# KiCad board Ultrasonic Sound Steering - Control Rev. A.kicad_pcb (continued)
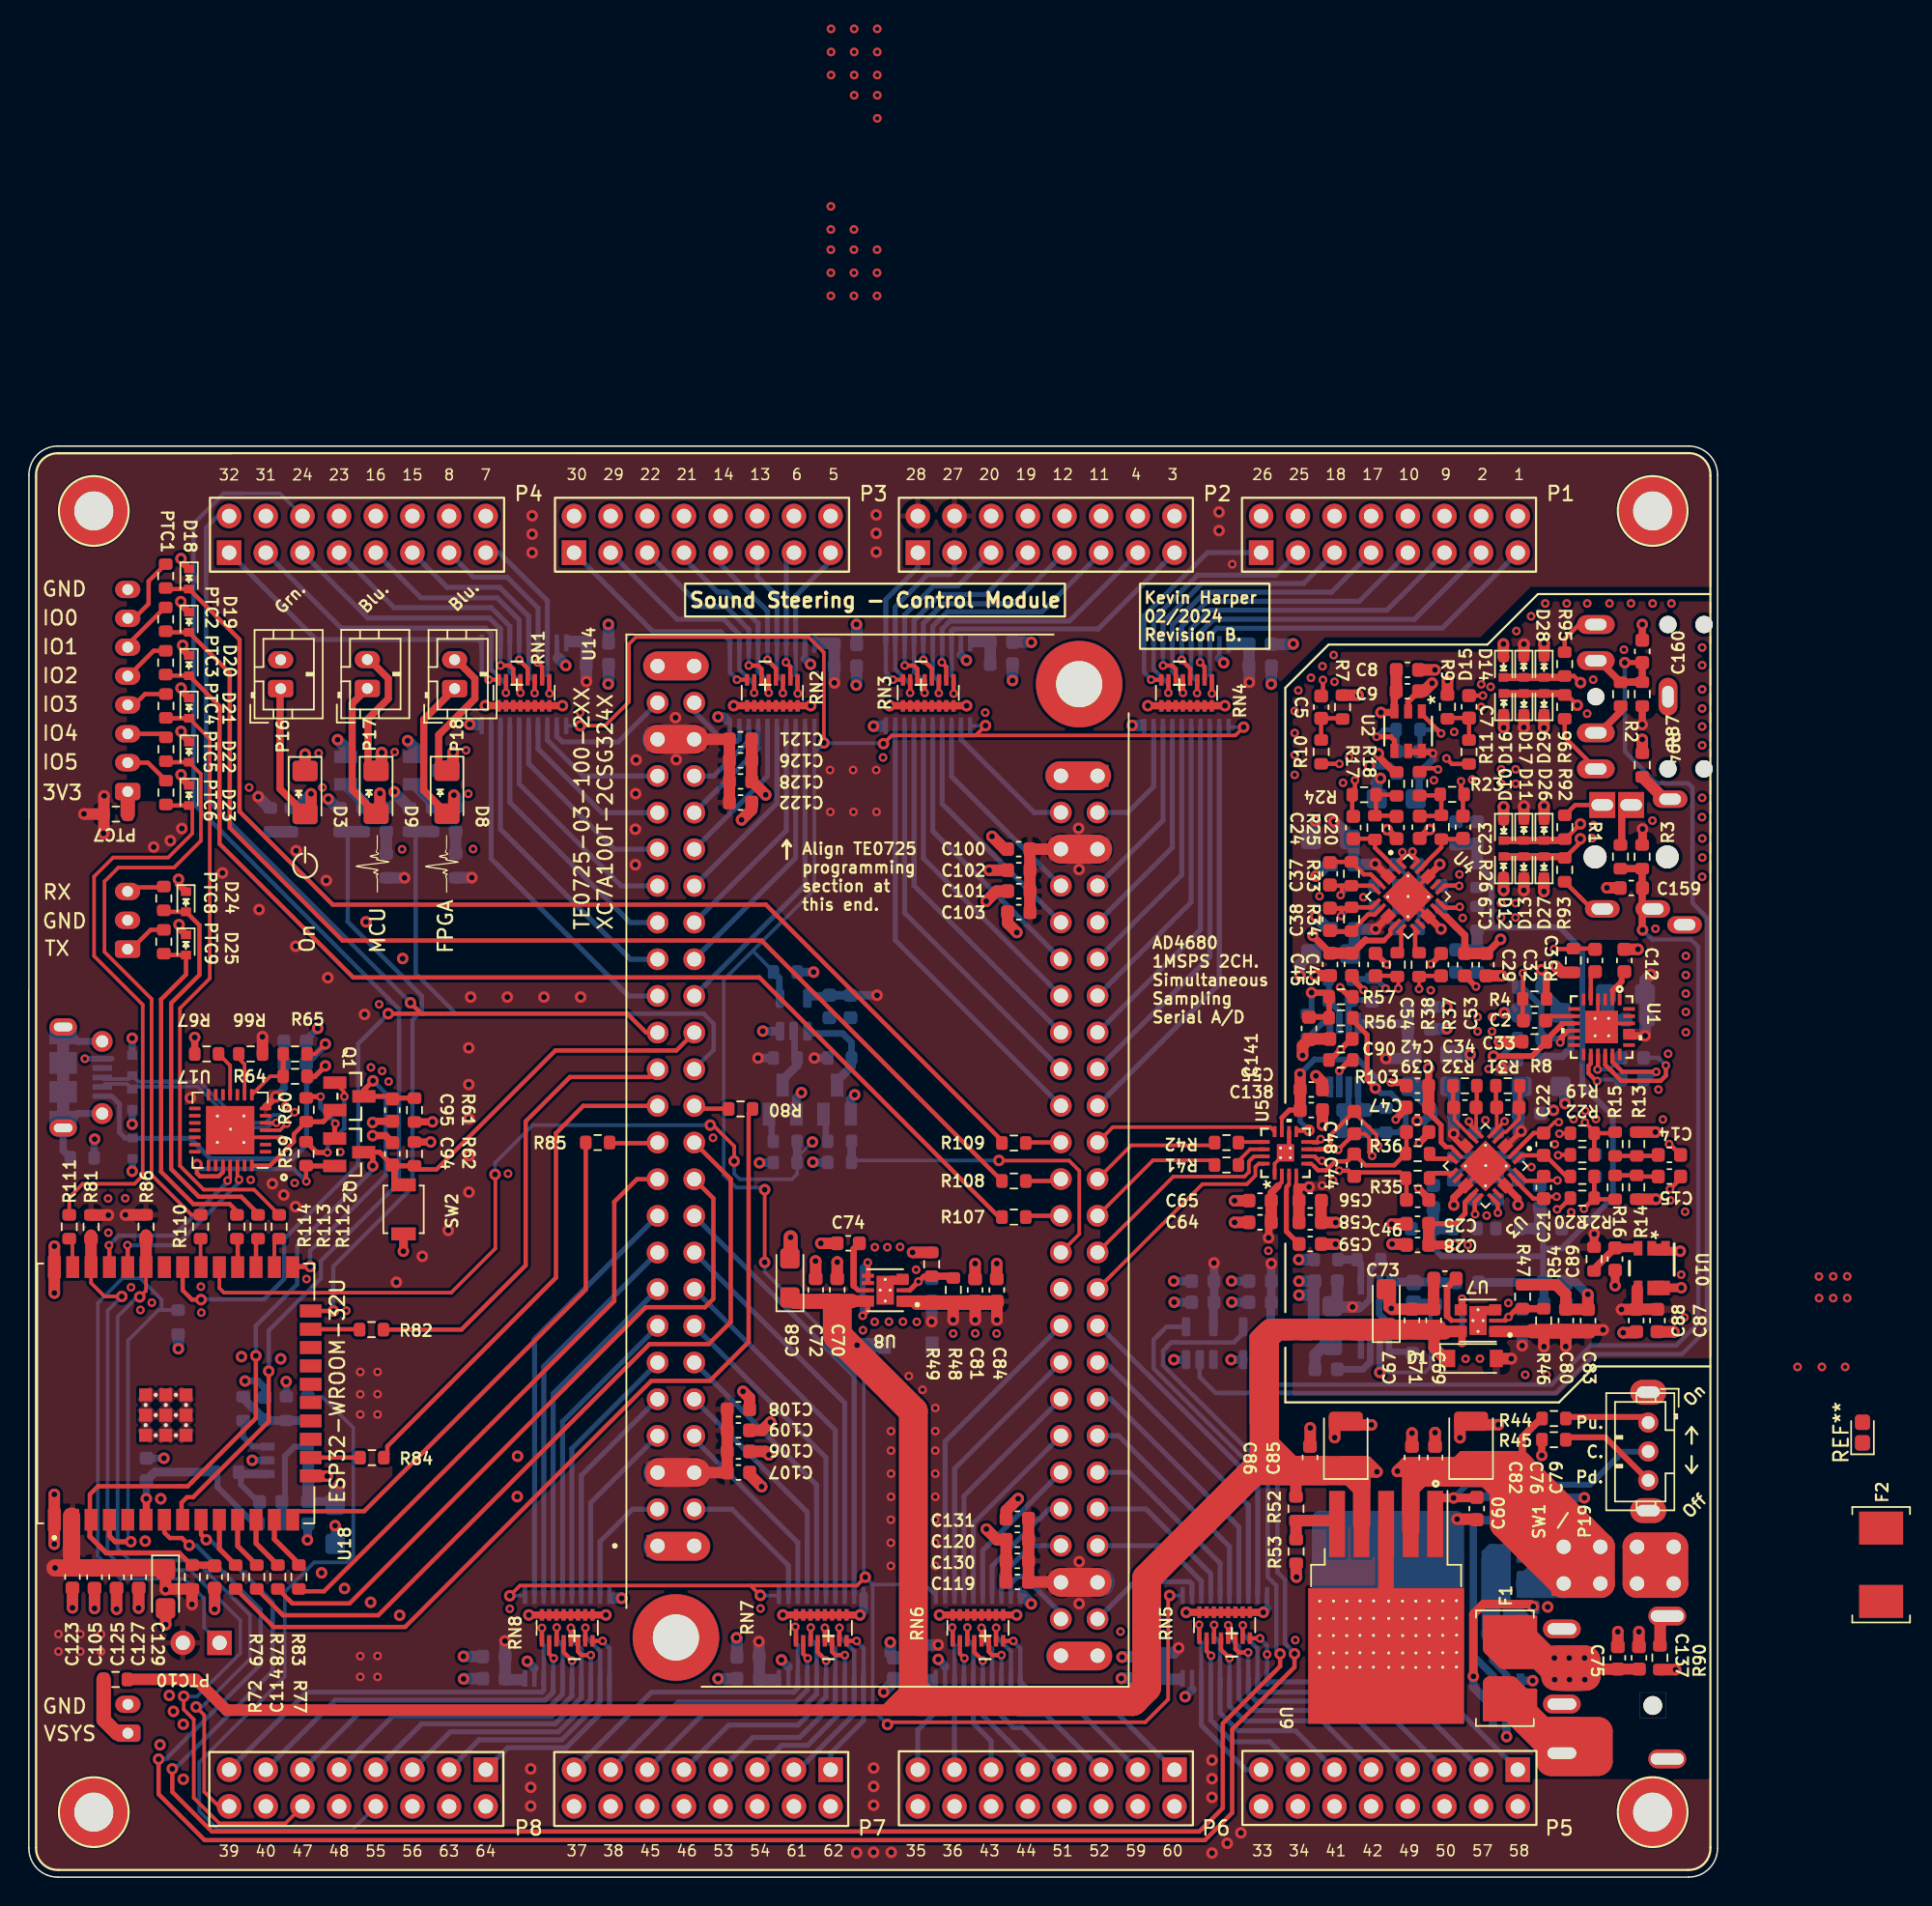
[diagram p0: board, top side]
## Routing (per net, layer and track width the routed paths; a pad name or vN(x,y) marks a point on that pad's centre or on a via; arc(x,y) is an arc through that point) (continued)
  Top w1: v2(52.78,44.32) 52.78,42.86 ; 94.15,40.83 94.04,40.93
  Top w2: P9.6 P9.5 P9.7 ; P9.6 P9.8 P9.7 ; P9.6 P9.7 ; 71.44,76.3 73.98,76.3 ; U14.49_1 U14.50_1 ; 71.52,15.32 74.06,15.32 ; 43.67,22.92 46.21,22.92
  Bottom w0.2: 50.65,49.49 v2(50.62,49.49) ; 55.26,52.64 55.04,52.86 ; 51.59,50.97 51.58,50.97 51.53,51.02 ; 56.94,52.59 Q8.1 ; 55.26,51.06 55.35,50.98 55.35,51 ; 83.33,41.29 v2(83.32,41.3) ; 53.17,52.55 Q7.1 ; 51.53,52.6 51.27,52.86 ; 54.33,49.52 v2(54.31,49.53)
  Bottom w0.25: 97.61,70.04 v2(97.75,70.18) ; 97.37,39.77 C156.2 97.1,39.34 97.1,35.36 96.7,34.97 v2(93.59,34.97) ; 83.35,39.83 v2(83.34,39.84) ; 109.45,58.3 NOREF#21.39_16 ; R116.1 98.71,48.45 ; R99.1 94.77,70.14 ; C4.2 108.91,61.55 ; 19.33,23.39 v2(19.3,23.36) ; R115.1 103.2,48.42 ; 10.31,37.61 10.29,37.63 ; 106.43,39.79 C158.2 ; C36.2 96.11,54.79 ; v2(57.58,18.16) 57.82,18.41 ; 48.57,80.01 U20.10 ; v1(3.88,56.7) P10.5 ; 82.69,84.13 v2(82.78,84.13)
  Bottom w0.3: 25.32,75.14 v2(25.32,75.2) ; 98.71,48.45 NOREF#38.39_16 ; 36.59,84.56 36.59,85.6 ; 64.57,84.69 64.57,85.49 ; 36.57,85.72 36.57,84.68 36.56,84.67 ; 36.57,84.53 36.57,85.57 ; 82.47,84.44 U13.19 ; NOREF#48.39_16 94.73,65.72 ; 103.2,48.42 NOREF#40.39_16 ; 94.77,70.08 95.49,69.37 ; 35.02,14.47 35.02,13.71 ; 85.78,18.6 85.78,19.63
  Bottom w0.35: 93.67,74.99 C17.2
  Bottom w0.4: U24.6 93.58,37.62 ; 95.49,69.37 NOREF#77.39_16 ; 90.31,36.92 C152.2 ; 94.73,65.72 94.67,65.72 ; 94.77,70.14 94.77,70.08 ; 53.77,84.41 53.77,85.48 ; 5.74,56.7 P10.5 v1(3.88,56.7)
  Bottom w0.45: U24.6 93.58,34.97 ; 51.53,51.02 51.46,51.09 51.46,52.53 ; 55.23,52.61 55.21,52.59 55.21,51.11 55.26,51.06
  Bottom w0.5: 19.11,56.37 19.24,56.37 20.54,57.68 v2(20.54,57.73) ; 7.17,48.85 7.18,48.86 7.18,49.83 ; C50.2 104.95,53.13 v2(105.63,53.13) ; 7.16,53.26 v2(7.16,52.16) ; v2(9.36,29.02) C66.1 ; 16.35,33.28 16.35,33.88 15.86,34.37 v2(14.98,34.37) ; v2(17.83,34.33) 17.84,34.32 17.84,33.23 ; v2(20.01,58.81) 19.11,57.9 19.04,57.9 ; 7.12,58.16 v2(7.16,58.12) D6.1 ; v2(4.56,51.13) 4.52,51.1 R63.1 ; C16.2 94.27,76.99 v2(92.87,76.99) ; 106.15,54.81 C52.2 ; 16.77,28.88 v2(15.47,28.88)
  Bottom w0.6: 90.31,36.92 91.19,37.8 93.41,37.8 93.58,37.62 ; C155.2 97.37,39.77 ; v2(79.35,39.83) C166.2 ; U23.6 104.19,13.61 v2(104.19,13.61) ; v2(52.14,15.05) 52.63,14.56 ; v2(96.17,52.4) 96.65,52.4 C41.2 ; v2(64.96,84.3) 64.57,84.69 ; 57.82,18.41 U19.10 ; v2(54.37,62.7) R133.1 ; 84.52,39.83 83.35,39.83 ; C63.2 19.32,24.47 19.32,23.4 19.33,23.39 ; 48.15,80.38 v2(47.75,80.38) 48.14,80.38 ; 48.15,80.38 48.42,80.11 ; 48.15,80.38 48.38,80.15 ; v2(34.53,14.96) 35.02,14.47 ; U27.3 79.33,35.85 v2(79.33,35.85) ; v2(83.29,35.85) U26.3 ; Q7.1 53.17,54 v2(53.52,54.35) ; v2(54.15,84.03) 53.77,84.41 ; v2(82.78,84.13) 82.47,84.44 ; v2(79.32,41.29) C167.2 ; Q8.1 56.94,53.93 v2(57.22,54.2) ; v2(107.77,26.28) C136.2 ; v2(108.01,40.37) 107.17,41.21 C157.2 106.43,39.79 ; 51.67,49.49 50.65,49.49 ; v2(50.85,58.61) U25.3 ; v2(80.11,12.5) 80.6,12.99 ; v2(85.52,18.34) 85.78,18.6 ; v2(102.38,9.73) U23.2 ; v2(21.22,24.35) C62.2 ; 57.82,18.4 57.59,18.16 v2(57.58,18.16) ; R129.2 54.33,49.52 ; v2(63,15.08) 63.49,14.59 ; 84.52,41.29 83.33,41.29
  Bottom w0.8: 96.11,54.79 96.11,54.36 97.16,53.31 C41.2 ; v2(10.36,36.61) 10.36,37.61 ; v2(89.14,66.56) 90.01,65.69 90.24,65.69 ; C110.1 59.9,13.51 v2(59.22,12.83) ; 95.73,54.99 96.07,54.99 ; C115.1 49.05,16.56 v2(49.03,16.58) ; 31.13,79.86 v2(30.54,79.86) ; v2(59.68,16.27) 59.68,15.48 59.9,15.25 ; v2(75.74,15.24) 75.77,15.27 76.99,15.27 ; 40.47,19.32 v2(41.07,19.32) ; v2(21.39,78.8) 21.95,78.24 Q4.2 ; C99.1 87.58,85.42 v2(87.6,85.44) ; C134.1 30.12,15.28 v2(30.11,15.29) ; C98.1 69.44,85.56 v2(69.45,85.55) ; v2(75.69,13.77) 75.7,13.78 C111.1 ; v2(102.22,59.88) C1.2 ; 59.11,79.74 v2(58.52,79.74) ; 36.68,84.46 v2(37.2,83.94) ; v2(99.86,57) 99.84,56.98 99.03,56.98 ; v2(40.15,86.79) 40.16,86.78 C133.1 ; 40.16,83.99 40.16,82.69 v2(40.14,82.66) ; v2(69.45,18.93) 68.88,19.5 68.86,19.5 ; v2(20.74,74.7) 21.35,74.09 R73.2 ; v2(87.99,40.32) 89,40.32 ; v2(106.43,53.59) 106.43,54.53 106.15,54.81 ; C17.2 93.39,75.88 v2(93.64,76.13) ; C154.2 89.1,36.2 89.77,36.86 C152.2 89.01,38.16 89.01,41.2 C151.2 v2(87.99,41.29) ; 89.04,42.79 87.98,42.79 v2(87.98,42.78) ; v2(26.24,78.74) 26.72,78.26 Q3.2 ; 97.05,58.76 98.22,58.76 ; 97.05,60.29 98.23,60.29 ; C96.1 v2(68.15,82.9) ; v2(89.62,52.11) C138.1 ; v2(89.16,69.35) 89.97,70.16 C49.2 ; C118.1 57.35,86.78 v2(57.34,86.79) ; 89.99,54.78 89.9,54.78 v2(89.17,55.51) ; C97.1 86.08,82.67 v2(86.07,82.65) ; R68.2 25.32,75.14 ; C36.2 95.81,54.82 ; C6.2 109.54,59.4 109.27,59.68 C4.2 ; v2(88.07,62.44) 88.07,63.25 88.55,63.73 ; 89.12,71.96 89.12,73.18 v2(89.13,73.18) ; C132.1 30.14,13.75 v2(30.12,13.73) ; 109.45,61.01 NOREF#42.39_15 ; C116.1 57.35,82.61 v2(57.32,82.58) ; 77.03,79.79 v2(76.44,79.79) ; C117.1 v2(47.75,13.75)
  Bottom w1: 98.72,23.32 89.44,23.32 94.38,23.32 ; 94.38,19.77 89.44,19.77 98.72,19.77 ; 91.45,18.64 90.96,19.13 NOREF#59.39_15 90.39,15.58 90.2,15.39 ; 91.45,18.64 90.73,17.92 NOREF#46.39_16 ; 91.45,18.64 92.17,17.92 ; 89.42,19 89.42,23.58 ; 98.7,23.72 98.9,23.52 ; 98.91,24.73 98.91,23.66 ; 98.91,24.73 98.91,24.74 98.91,24.86 89.45,24.86 ; 98.91,24.73 98.91,23.53 ; 89.45,16.57 89.45,20.32 ; 89.46,19.8 89.52,19.74 98.86,19.74 ; 98.71,21.04 89.43,21.04 94.37,21.04 ; 98.91,22.24 89.45,22.24 ; 98.91,20.62 98.91,16.02 ; 98.91,16.02 98.91,20.4 98.71,20.6 ; 98.91,16.02 98.89,16 ; 94.37,21.28 89.43,21.28 98.71,21.28 ; 94.37,22.21 89.43,22.21 98.71,22.21 ; 94.38,22.44 89.44,22.44 98.72,22.44 ; 92.05,15.54 97.3,15.54 ; 92.05,15.54 91.82,15.77 91.45,15.39 ; 92.05,15.54 94.6,15.54 ; 92.05,15.54 91.61,15.1 91.61,14.55 ; 97.3,15.54 98.29,14.55 NOREF#44.39_15 ; 97.3,15.54 NOREF#63.39_16 ; 93.34,16.75 92.17,17.92 ; 93.34,16.75 94.07,17.47 96.03,17.47 ; 93.34,16.75 94.55,16.75 ; 92.17,17.92 NOREF#46.39_16 ; 92.17,17.92 97.94,17.92 ; 89.42,22.57 89.42,21.36 ; 90.2,15.39 91.45,15.39 ; 90.2,15.39 93.93,19.13 NOREF#78.39_15 ; 91.45,15.39 91.31,15.53 NOREF#2.39_16 ; 98.91,24.62 98.91,23.42 ; 98.91,23.75 98.91,22.55 ; 98.91,22.23 98.91,17.63 ; 98.91,17.63 98.91,22.01 98.71,22.21 ; 98.91,17.63 98.89,17.61 ; NOREF#56.39_15 94.55,16.75 ; 94.55,16.75 94.36,16.75 NOREF.39_16 ; 98.71,24.83 89.43,24.83 94.37,24.83 ; 95.79,16.74 92.11,16.74 ; 95.79,16.74 94.6,15.54 ; 95.79,16.74 NOREF#65.39_15 ; 92.11,16.74 91.58,16.74 NOREF#46.39_16 ; 92.11,16.74 93.3,15.54 94.6,15.54 ; 89.43,23.68 89.43,22.47 ; 89.42,18.26 89.42,22.84 ; NOREF#17.39_15 89.42,19.12 NOREF#29.39_16 98.89,14.53 NOREF#44.39_15 ; NOREF#17.39_15 94.37,19.13 96.03,17.47 ; NOREF#17.39_15 NOREF#25.39_16 ; NOREF#17.39_15 89.45,19.15 NOREF#20.39_15 NOREF#44.39_15 ; NOREF#17.39_15 98.71,19.13 98.91,18.93 NOREF#44.39_15 ; NOREF#17.39_15 89.43,14.66 89.45,14.64 ; 97.4,16.1 NOREF#63.39_16 ; 97.4,16.1 96.03,17.47 ; 97.4,16.1 95.15,16.1 94.6,15.54 ; NOREF#63.39_16 97.96,15.5 NOREF#44.39_15 ; NOREF#63.39_16 98.2,15.78 98.2,18.39 97.95,18.64 92.45,18.64 92.23,18.42 NOREF#34.39_16 ; NOREF#44.39_15 91.61,14.55 ; 94.36,22.84 89.42,22.84 98.7,22.84 ; 94.36,23.72 89.42,23.72 98.7,23.72 ; 94.38,22.39 89.44,22.39 98.72,22.39 ; 89.42,20.94 89.42,19.74 ; 94.6,15.54 94.22,15.92 NOREF#71.39_15 96.75,16.74 97.94,17.92 ; 98.71,23.95 89.43,23.95 94.37,23.95 ; 94.36,22.55 89.42,22.55 98.7,22.55 ; 98.9,23.18 89.44,23.18 ; 98.91,23.69 89.45,23.69 ; 98.91,22.79 98.91,21.59 ; 91.61,14.55 89.54,14.55 89.45,14.64 ; 97.94,17.92 NOREF#8.39_16 ; 98.7,22.11 98.9,21.91 ; 98.9,20.56 89.44,20.56 ; 89.43,19.85 89.43,21.06 89.43,16.59 ; 89.42,22.07 89.42,20.86 ; 98.91,21.07 89.45,21.07 ; 89.42,22.24 89.42,21.03 ; 98.9,22.58 89.44,22.58 ; 98.71,24.83 98.91,24.63 ; 98.71,23.22 98.91,23.02 ; 89.45,14.64 89.45,18.39 ; 89.42,24.85 89.42,23.65 ; 89.43,24.8 89.43,23.6 ; 94.37,21.33 89.43,21.33 98.71,21.33 ; 89.42,20.53 98.7,20.53 ; 89.42,24.58 89.42,23.38 ; 98.91,23.98 89.45,23.98 ; 98.9,22.87 89.44,22.87 ; 98.91,23.15 98.91,21.95 ; 89.43,24.85 89.43,23.65 ; 89.42,16.46 89.42,21.05 ; 98.91,23.29 98.91,22.09 ; 94.37,23.66 89.43,23.66 98.71,23.66 ; 98.91,21.36 89.45,21.36 ; 98.9,23.74 98.9,19.14 ; 98.9,23.75 89.44,23.75 ; 98.89,22.07 89.43,22.07 ; 98.91,22.13 98.91,20.93
  Bottom w2: 73.94,76.3 71.4,76.3 ; 46.09,22.92 43.55,22.92 ; 46.09,83.92 43.55,83.92 ; 74.02,15.32 71.48,15.32
  vias: v1(5.49,47.02) v1(5.51,44.64) v1(6.68,47.03) v1(7.08,40.86) v1(7.73,39.29) v1(8.52,39.8) v1(11.92,40.91) v1(11.95,39.11) v1(15.26,75.5) v1(15.36,48.31) v1(17.77,53.43) v1(18.41,52.99) v1(18.42,48.09) v1(19.24,41.44) v1(20.08,77.87) v1(20.34,75.49) v1(21.58,50.23) v1(21.99,39.25) v1(23.7,56.1) v1(24.27,60.47) v1(24.48,55.85) v1(24.93,55.12) v1(25.35,77.95) v1(25.86,71.21) v1(30.29,78.07) v1(30.44,75.05) v1(30.78,71.23) v1(33.2,48.74) v1(33.32,18.59) v1(38.2,80.68) v1(47.4,51.22) v1(50.69,18.61) v1(57.79,37.89) v1(58.61,43.64) v1(58.6,38.47) v1(59.18,77.57) v1(59.48,43.64) v1(59.59,38.48) v1(60.36,43.66) v1(60.56,38.48) v1(61.47,42.08) v1(61.52,38.47) v1(64.04,37.66) v1(65.57,37.67) v1(66.26,80.68) v1(67.05,37.66) v1(75.63,17.01) v1(85.79,15.43) v1(85.88,43.4) v1(87.7,80.79) v1(87.7,79.27) v1(87.7,77.74) v1(87.7,76.37) v1(87.74,16.42) v1(87.95,82.22) v1(88.82,83.09) v1(89.42,67.96) v1(89.62,83.89) v1(90.4,84.67) v1(90.36,48.26) v1(90.46,82.81) v1(91.05,75.82) v1(91.47,77.59) v1(92.46,67.89) v1(94.36,55.05) v1(97.12,61.44) v1(97.34,75.99) v1(98.75,79.34) v1(99.11,69.47) v1(99.34,66.45) v1(99.54,35.91) v1(99.69,43.8) v1(100,76.04) v1(100.37,59.59) v1(100.37,58.59) v1(100.53,35.92) v1(100.62,82.64) v1(100.62,81.07) v1(100.91,52.44) v1(101,45.84) v1(101.13,55.99) v1(101.27,82.47) v1(101.37,59.59) v1(101.37,58.59) v1(102.01,76.75) v1(102.01,75.75) v1(102,67.48) v1(102,66.48) v1(102.5,39.78) v1(103.01,76.75) v1(103.01,75.75) v1(103,67.48) v1(103,66.48) v1(103.06,86.33) v1(103.67,34.8) v1(104.08,87.35) v1(104.1,49.19) v1(105.06,88.24) v1(105.15,34.8) v1(105.72,50.78) v1(106.55,88.24) v1(106.86,46.07) v1(107.02,52.52) v1(107.82,53.09) v1(107.97,88.24) v1(107.96,80.61) v1(108.38,82.97) v1(108.4,72.88) v1(108.32,71.98) v1(108.57,52.52) v1(109.51,88.24) v1(110.51,85.04) v1(111,88.24) v1(112.5,88.24) v1(112.49,73.2) v1(112.69,65.71) v1(112.9,54.57) v1(113.21,52.49) v1(113.57,57.04) v1(113.8,88.24) v1(113.72,46.89) v1(114.48,41.74) v1(114.7,38.78) v1(114.8,63.82) v1(114.8,62.49) v1(114.8,61.21) v1(114.8,59.94) v1(114.8,58.53) v1(114.75,46.1) v1(115.92,73.44) v1(115.93,85.19) v1(115.93,83.97) v1(115.93,82.29) v1(115.93,80.97) v1(115.93,79.72) v1(115.93,78.42) v1(115.93,74.78) v1(115.94,71.96) v1(115.94,70.64) v1(115.93,69.31) v1(122.54,35.35) v1(124.02,41.61) v1(124.03,40.12) v1(124.22,35.35) v1(125.01,41.62) v1(125.01,40.12) v1(125.84,35.35) v1(125.98,41.62) v1(125.98,40.12) v2(7.16,48.9) v2(8.06,23.28) v2(9.09,9.17) v2(9.14,26.21) v2(9.73,12.59) v2(10.02,11.49) v2(10.37,69.13) v2(10.7,10.59) v2(10.7,6.78) v2(14.73,36.06) v2(17.45,35.91) v2(25.95,43.36) v2(98.24,60.3) v2(98.24,58.78) v2(98.95,24.8) v2(104.97,68.28) v2(105.23,18.72) v2(112.69,51.62)
VBUS: length 25.2
  Top w0.35: v2(20.54,56.21) 19.82,55.48 R64.2
  Bottom w0.25: P10.1 5.74,54.1
  Bottom w0.35: 11.17,51.19 11.25,51.11 ; v2(20.54,56.21) 19.23,54.89 19.23,50.75 18.25,49.76 12.6,49.76 11.17,51.19 D5.2 6.68,51.19 6.28,51.59 6.28,53.56 5.74,54.1
(no net): length 12.9
  Top w0.25: 106.48,30.31 106.63,30.46
  Top w0.4: 112.19,27.49 109.21,30.47 106.62,30.47 ; 112.19,31.49 111.8,31.88 106.59,31.88 106.48,31.77
+VSW: length 50.5
  Bottom w0.25: R39.1 20.32,33.28 22.48,31.12 22.48,22.28 22.36,22.16 ; 22.36,22.16 22,21.81 19.75,21.81 17.73,19.78 17.73,13.88 11.81,7.96 11.81,4.56 13.11,3.26 22.39,3.26 P8.8 ; 22.36,22.16 22.09,21.89
  Bottom w0.8: P8.8 23.79,4.66
-VSW: length 73.5
  Bottom w0.25: 101.27,65.81 101.33,65.87 ; 104.91,41.31 104.91,43.63 ; 104.91,41.31 C157.1 104.97,41.18 ; 104.91,41.31 104.91,43.04 104.87,43.08 ; 104.68,44.95 104.66,44.93 104.91,44.68 ; 100.44,41.21 L1.2 ; 101.64,65.81 100.55,65.81 R117.1 ; 97.3,44.96 97.32,44.93 ; 100.38,70.21 R118.1
  Bottom w0.4: 107.51,44.87 109.74,47.1 109.74,52.75 107.63,54.86 107.63,64.23 106.05,65.81 103.32,65.81 103.29,65.78 100.58,65.78 ; 108.02,45.38 106.2,43.56 104.98,43.56 104.91,43.63 ; 104.91,41.31 104.91,44.68 ; C147.1 97.32,43.59 97.9,43.01 104.8,43.01 104.87,43.08 ; 100.38,70.21 101.33,69.26 101.33,65.87
  Bottom w0.6: C158.1 104.97,41.18 ; C157.1 100.44,41.21
  Bottom w0.8: C143.1 C144.1 R117.1 ; C146.1 C145.1 R118.1 ; 104.68,46.36 104.68,44.95 ; C148.1 97.3,44.96 ; 97.32,44.93 R119.1 ; 104.66,44.93 R120.1
/Logic_Ctrl/D+: length 20.9
  Top w0.25: U17.4 17.4,51.75 v1(17.86,52.22)
  Bottom w0.2: 7.01,55.54 D6.2
  Bottom w0.25: v1(17.86,52.22) 17.86,52.31 17.37,52.8 16.94,52.8 16.39,52.26 14.69,52.26 11.84,55.11 ; 8,55.11 10.84,55.11 ; 9,55.11 11.84,55.11 ; P10.3 5.19,55.29 6.91,55.29 D6.2 7.59,55.11 10.43,55.11
/Logic_Ctrl/D-: length 19.1
  Top w0.25: v1(17.15,52.27) 17.14,52.25 U17.5
  Bottom w0.2: 7.04,54.48 D7.2
  Bottom w0.25: v1(17.15,52.27) 16.88,52.27 16.53,51.92 14.55,51.92 11.7,54.77 ; 10.29,54.77 7.33,54.77 D7.2 6.81,54.95 5.28,54.95 P10.2 ; 7.74,54.77 10.7,54.77 ; 8.74,54.77 11.7,54.77
adc_CS~: length 13
  Top w0.25: 84.69,51.96 86,51.96 86.3,51.66 ; 74.14,50.9 U14.21_2 75.1,51.96 84.74,51.96 ; 86.29,51.65 U5.12
adc_SCK: length 17.6
  Top w0.25: U14.29_2 75.12,41.82 ; U14.29_2 74.04,40.49 ; U14.29_2 81.31,48.01 84.39,48.01 84.97,48.6 84.97,49.21 85.19,49.43 U5.16
  Top w0.35: 74.04,40.49 74.29,40.74
adc_SDI: length 15.6
  Top w0.25: 84.81,49.87 84.52,49.58 84.52,48.85 84.22,48.54 79.29,48.54 U14.27_2 ; U14.27_2 74.04,43.54 ; U14.27_2 74.15,43.39 ; 84.62,49.69 84.86,49.93 U5.15
  Top w0.35: 74.15,43.39 74.3,43.24
adc_SDOA: length 9.5
  Top w0.25: R42.2 81.96,50.7 76.38,50.7 U14.23_2 74.04,48.71
adc_SDOB/~ALRT: length 10.3
  Top w0.25: 74.04,46.27 U14.25_2 77.88,49.66 81.82,49.66 R41.2
ADC_VREF: length 81.5
  Top w0.25: 86.81,52.61 U5.11
  Top w0.35: 88.17,55.69 88.17,53.2 ; 87.99,55.65 87.99,53.16 ; 88.13,55.72 88.13,53.23 ; 88.13,55.76 88.13,53.27 ; 88.07,55.79 88.07,53.3 ; 88.17,55.63 88.17,53.14 ; 88.28,55.41 88.28,52.92 ; 88.28,55.65 88.28,53.16 ; 88.08,55.72 88.08,53.23 ; C138.2 88.07,55.64 v2(88.07,55.64) ; 88.14,55.63 88.14,53.14 ; v2(93.28,54.66) 92.72,55.23 92.72,58.36 91.72,59.35 ; 87.96,55.77 87.96,53.28 ; 87.95,55.67 87.95,53.18 ; 87.9,55.49 87.9,53 ; 88.18,55.77 88.18,53.28 ; 88.13,55.78 88.13,53.29 ; 87.9,55.74 87.9,53.25 ; 88.03,55.63 88.03,53.14 ; 87.99,55.78 87.99,53.29 ; 87.88,55.67 87.88,53.18 ; 88.02,53.14 87.34,53.14 86.81,52.61 ; 88.19,55.64 88.19,53.15 ; 88.04,55.79 88.04,53.3 ; 87.86,55.64 87.86,53.15 ; 88.21,55.6 88.21,53.11
  Bottom w0.25: v2(93.28,54.66) 93.22,54.66 ; 93.94,51.68 R55.1
  Bottom w0.35: v2(88.07,55.64) 88.07,55.65
  Bottom w0.4: R104.2 92.67,51.64 93.9,51.64 93.94,51.68 ; v2(93.28,54.66) 93.63,54.31 94.35,54.31 95.4,53.26 95.4,52.12 94.88,51.61 R55.1 ; 93.22,54.66 93.22,55.5 92.06,56.66 89.07,56.66 88.07,55.65
Artix7_HB: length 37.2
  Bottom w0.3: U14.28_1 47.45,57.32 47.45,59.12 46.75,59.82 29.59,59.82 26.79,62.62 26.79,72.44
  Bottom w0.8: R69.1 R68.1
AUX_OPEN~: length 251.1
  Top w0.25: 9.31,25.01 9.31,24.76
  Top w0.3: v2(8.99,8.17) 8.99,5.75 12.18,2.56 81.48,2.56 83.37,4.45 83.37,10.23 87.69,14.55 v2(87.69,15.48) ; U18.7 9.39,23.87 9.77,23.49 10.61,23.49 v2(11.11,22.99)
  Top w0.35: C160.1 110.57,84.15 v2(110.57,84.14) ; 111.02,82.87 111.78,82.87
  Top w0.5: 111.78,82.87 C160.1 ; 108,84.28 108.78,84.28 110.27,82.79 R2.1
  Bottom w0.25: 84.13,38.13 84.13,37.71
  Bottom w0.3: 82.49,33.54 87.62,33.54 ; 82.19,33.57 81.12,34.64 81.12,35.62 ; 81.15,34.61 82.22,33.54 ; v2(8.99,8.17) 9.48,8.17 16.06,14.75 16.06,18.53 11.62,22.97 11.11,22.97 ; 83.66,37.21 83.49,37.04 79.31,37.04 ; 11.03,22.97 11.03,22.99 ; 83.58,37.13 83.75,37.3 ; 81.12,35.85 81.12,34.88 ; v2(110.57,84.14) 110.58,84.13 110.58,77.98 112.78,75.78 114.96,75.78 115.26,75.48 115.26,67.48 116.26,66.48 116.26,37.96 114.54,36.24 108.5,36.24 105.8,33.54 87.16,33.54 86.97,33.54 ; 82.23,33.54 87.36,33.54 ; 83.73,37.28 83.9,37.45 ; 78.86,36.75 79.15,37.04 79.53,37.04 ; 83.85,37.4 84.02,37.57 ; 78.82,36.71 79.11,37 ; v2(87.69,15.48) 87.69,15.53 87.03,16.19 87.03,20.6 86.5,21.13 86.5,27.55 78.58,35.47 78.58,36.47 78.87,36.76
cust: length 208.4
  Top w0.25: v2(33.32,19.49) 34.03,20.2 50,20.2 ; v2(50.98,42.59) v2(50.98,47.63) 50.98,47.56 ; v2(59.21,78.52) 59.79,79.1 83.59,79.1 v2(84.16,79.67) ; 50,20.2 57.37,20.2 v2(57.95,20.78) 57.96,20.77 ; 50,20.2 v2(50.68,19.52) ; v2(55.08,78.58) 55.08,84.85 54.02,85.91 42.06,85.91 41.58,85.43 41.58,81.43 39.92,79.77 v2(38.2,79.77) ; 64.66,79.1 65.6,79.1 v2(66.28,79.78) ; v2(59.49,10.57) 59.65,10.73 77.35,10.73 78.93,12.32 78.93,19.41 v2(79.04,19.51)
  Bottom w0.2: 51.84,62.44 R133.2
  Bottom w0.25: v2(59.49,10.57) 58.46,11.6 58.46,20.27 ; v2(79.04,19.51) U12.1 ; U22.1 v2(38.2,79.77) ; 49.97,63.98 48.14,62.15 48.14,48.64 49.01,47.77 50.83,47.77 v2(50.98,47.63) ; U19.1 50.69,19.51 v2(50.68,19.52) ; v2(57.95,20.78) 58.46,20.27 ; v2(57.95,20.78) 57.85,20.88 57.85,35.06 50.98,41.93 v2(50.98,42.59) ; v2(57.95,20.78) 58.11,20.62 ; v2(57.95,20.78) 58.46,20.27 ; 58.46,20.27 62.07,20.27 U15.1 ; 54.42,77.77 54.42,68.44 49.79,63.8 ; 54.42,77.77 U20.1 ; 54.42,77.77 54.42,77.93 55.06,78.56 59.17,78.56 v2(59.21,78.52) ; v2(33.32,19.49) 33.34,19.51 U21.1 ; v2(66.28,79.78) 66.27,79.77 U16.1 ; R133.2 51.58,62.75 50.21,64.12 50.21,64.22 ; v2(84.16,79.67) U13.1
  Bottom w0.45: 52.03,60.89 51.99,60.93 51.99,62.29 51.84,62.44
DIGPOT_SCL: length 59.8
  Top w0.25: 4.31,42.01 4.31,41.17 5.24,40.23 v2(6.44,40.23) ; v2(10.73,12.53) 10.73,11.62 11.42,10.93 11.42,5.49 13.19,3.73 17.78,3.73 P8.12
  Top w0.8: 4.31,44.48 4.31,42.03
  Bottom w0.25: v2(10.73,12.53) 10.75,12.52 11.66,12.52 14.65,15.5 14.65,17.8 11.19,21.26 6.68,21.26 5.46,22.48 5.46,39.25 v2(6.44,40.23) 5.6,39.39
DIGPOT_SDA: length 50
  Top w0.25: v2(7.68,40.2) 8.12,40.63 8.12,42.01 ; P8.16 13.16,4.9 12.15,5.91 12.15,11.23 v2(11.59,11.79)
  Top w0.8: 8.12,44.49 8.12,42.1
  Bottom w0.25: v2(7.68,40.2) 7.51,40.2 6.15,38.83 6.15,22.76 6.98,21.93 11.54,21.93 15.32,18.15 15.32,15.11 12,11.79 v2(11.59,11.79)
Drive_Distance: length 12.4
  Top w0.5: v2(8.14,26.22) 8.14,25.03
  Bottom w0.25: R102.2 15.93,24.52
  Bottom w0.4: 13.07,27.62 13.07,27.74 ; 13.07,27.69 13.07,27.81 ; R102.2 15.59,24.5 13.07,27.02 13.07,27.5 ; 13.07,27.46 13.07,27.58 ; 13.07,27.53 13.07,27.65
  Bottom w0.5: v2(8.14,26.22) 8.15,26.23 C66.2 8.18,27.44
  Bottom w0.6: R43.2 8.72,28.06 8.1,27.44
DTR: length 8.7
  Top w0.25: 19.18,52.34 R60.1
  Top w0.3: 15.59,49.28 16.69,49.28 18.35,50.95 18.35,51.48 R60.1 ; 16.61,49.28 15.47,49.28
  Top w0.35: Q1.2 20.39,52.34 R60.1
ecm_n: length 11
  Top w0.25: 91.6,49.87 C44.1 91.47,49.74 ; 89.02,49.27 88.86,49.43 U5.5
  Top w0.3: 95.37,50.1 94.59,49.32 92.6,49.32 C44.1 ; C44.1 91.32,49.59 90.51,49.59 89.89,48.97 89.32,48.97 89.02,49.27 ; C44.1 91.39,49.66 ; C47.2 95.44,50.17
ECM_OPEN~: length 237.3
  Top w0.25: 110.25,69.89 110.27,69.89 ; v2(67.21,49.65) 67.22,49.64 72.07,49.64 72.78,48.93 72.78,44.56 U14.28_2
  Top w0.3: v2(86.69,15.47) 86.69,14.61 82.72,10.64 82.72,4.78 81.1,3.16 12.68,3.16 9.94,5.9 v2(9.94,7.5) ; v2(12.29,23.37) 11.93,23.73 11.93,25.01
  Top w0.5: v2(111.8,65.62) 111.77,65.65 R1.2 R3.1
  Bottom w0.25: 85.08,35.49 85.08,34.83 ; 57.12,49.64 R129.1 57.13,49.65 v2(67.21,49.65) ; 80.17,38.13 79.03,38.13 ; 85.08,35.85 85.08,35.2
  Bottom w0.3: 79.23,38.13 78.82,38.13 78.12,37.43 ; 79.06,38.13 79.47,38.13 ; v2(111.8,65.62) 112.46,64.96 115.15,64.96 115.66,64.45 115.66,38.36 114.14,36.84 108.21,36.84 105.49,34.12 86.34,34.12 ; 85.09,34.72 85.24,34.57 ; 12.53,23.37 v2(12.29,23.37) 12.55,23.37 16.89,19.03 16.89,14.28 10.11,7.5 v2(9.94,7.5) ; v2(86.69,15.47) 86.43,15.73 86.43,20.2 85.84,20.79 85.84,27.33 77.93,35.24 77.93,37.24 78.6,37.91 ; 85.27,34.54 85.42,34.39 ; 85.15,34.66 85.3,34.51 ; 85.39,34.42 85.69,34.12 87.11,34.12 ; 79.6,38.13 80.01,38.13 ; 85.09,35.38 85.09,34.73 ; 79.37,38.13 79.78,38.13
  Bottom w0.6: R129.1 57,50.98
ecm_p: length 9.2
  Top w0.25: 89.42,49.6 89.56,49.6 v1(89.59,49.62) ; U5.6 89.09,49.93
  Top w0.3: 95.39,48.42 94.99,48.82 92.1,48.82 C44.2 91.43,48.94 v1(90.78,48.94) ; C46.1 95.44,48.37 ; 89.09,49.93 89.42,49.6
  In1.Cu w0.3: v1(90.78,48.94) 90.27,48.94 v1(89.59,49.62)
EN: length 19.3
  Top w0.35: 97.47,24.44 97.44,24.48
  Top w0.4: 97.99,26.27 97.43,25.72 U9.1 ; 100.25,26.36 C60.2
  Top w0.6: C60.2 100.27,26.27 v2(98.71,26.27) 97.99,26.27 ; 97.45,24.45 U9.1
  Bottom w0.4: v2(98.71,26.27) 99.63,27.19 108.16,27.19 110.44,29.47 112.19,29.47
EN_: length 81
  Top w0.25: Q2.3 23.85,50.22 ; 25.8,47.96 25.91,48.07 ; 25.24,49.28 C94.2
  Top w0.3: 27.36,49.03 28.24,49.03 36.48,57.27 44.86,57.27 U14.30_1 ; 11.29,27.36 11.01,27.08 10.45,27.08 ; 11.29,27.36 11.43,27.5 ; 11.29,27.36 15.73,31.8 v2(15.73,36.12) ; 10.64,27.08 4.79,27.08 4.23,26.52 4.23,25.01 ; 26.76,49.03 27.64,49.03
  Top w0.35: 11.25,21.62 10.4,22.46 6.03,22.46 ; 23.83,49.48 23.83,49.07 ; 23.83,49.6 23.83,49.19 ; R62.2 25.24,49.28 ; 4.23,25.01 4.23,23.59 5.36,22.46 7.71,22.46 ; Q2.3 24.3,50.22 C94.2 ; 23.83,49.87 23.83,49.46 ; 23.83,49.55 v2(23.83,49.28) 23.83,49.69 ; 23.83,49.47 23.83,49.06
  Top w0.45: 25.35,48.08 25.35,48.85 ; 25.35,48.58 25.35,49.34
  Top w0.5: 11.15,21.62 12.64,21.62
  Bottom w0.3: v2(15.73,36.12) 15.73,38.21 18.59,41.07 18.59,43.77 23.83,49.01 v2(23.83,49.28) 23.86,49.26
ESP32_HB: length 41.7
  Top w0.3: v2(21.09,39.23) 19.53,39.23
  Bottom w0.3: 22.23,72.44 22.09,72.29 22.09,66.19 27.23,61.05 27.23,60.06 ; 27.23,60.65 27.23,60.05 26.58,59.4 26.58,47.8 21.09,42.32 v2(21.09,39.23)
  Bottom w0.8: R74.1 R73.1
ESP32_RXD0: length 12.7
  Top w0.25: v1(14.57,48.32) 14.45,48.44 U17.26
  Top w0.3: 6.85,42.01 6.85,43.76
  Bottom w0.25: 14.45,48.2 v1(14.57,48.32)
  Bottom w0.3: v1(14.57,48.32) 14.57,48.14 10.21,43.78 v1(6.83,43.78)
ESP32_TXD0: length 13.2
  Top w0.25: v1(13.77,48.26) 13.95,48.43 U17.25
  Top w0.3: 5.58,42.01 5.58,43.74
  Bottom w0.3: v1(5.55,43.77) 5.56,43.77 6.24,44.45 8.56,44.45 ; 13.77,48.24 v1(13.77,48.26) 13.77,48.17 10.05,44.45 8.39,44.45
FPGA_IO0: length 79.3
  Top w0.3: 13.21,81.13 13.21,71.59 22.47,62.33 50.61,62.33 67.21,45.73 R107.2 ; 13.21,81.13 D20.2 9.55,83.24 PTC3.2 ; 13.21,81.13 13.21,80.89
FPGA_IO1: length 80
  Top w0.3: PTC2.2 9.55,86.24 D19.2 13.92,83.42 13.92,72.7 21.73,64.89 50.76,64.89 67.42,48.23 R108.2
FPGA_IO2: length 80.9
  Top w0.3: PTC1.2 9.55,89.24 D18.2 14.6,85.74 14.6,73.83 21.05,67.38 51.06,67.38 67.42,51.02 R109.2
I2S_BCLK: length 55.8
  Top w0.3: R79.2 17.61,18.14 ; U14.24_1 48.63,48.36 48.63,38.46 47.1,36.93 43,36.93 24.21,18.14 17.61,18.14 17.39,18.36
